# Altium PCB Terra.PcbDoc (part 7 of 7) (continued)
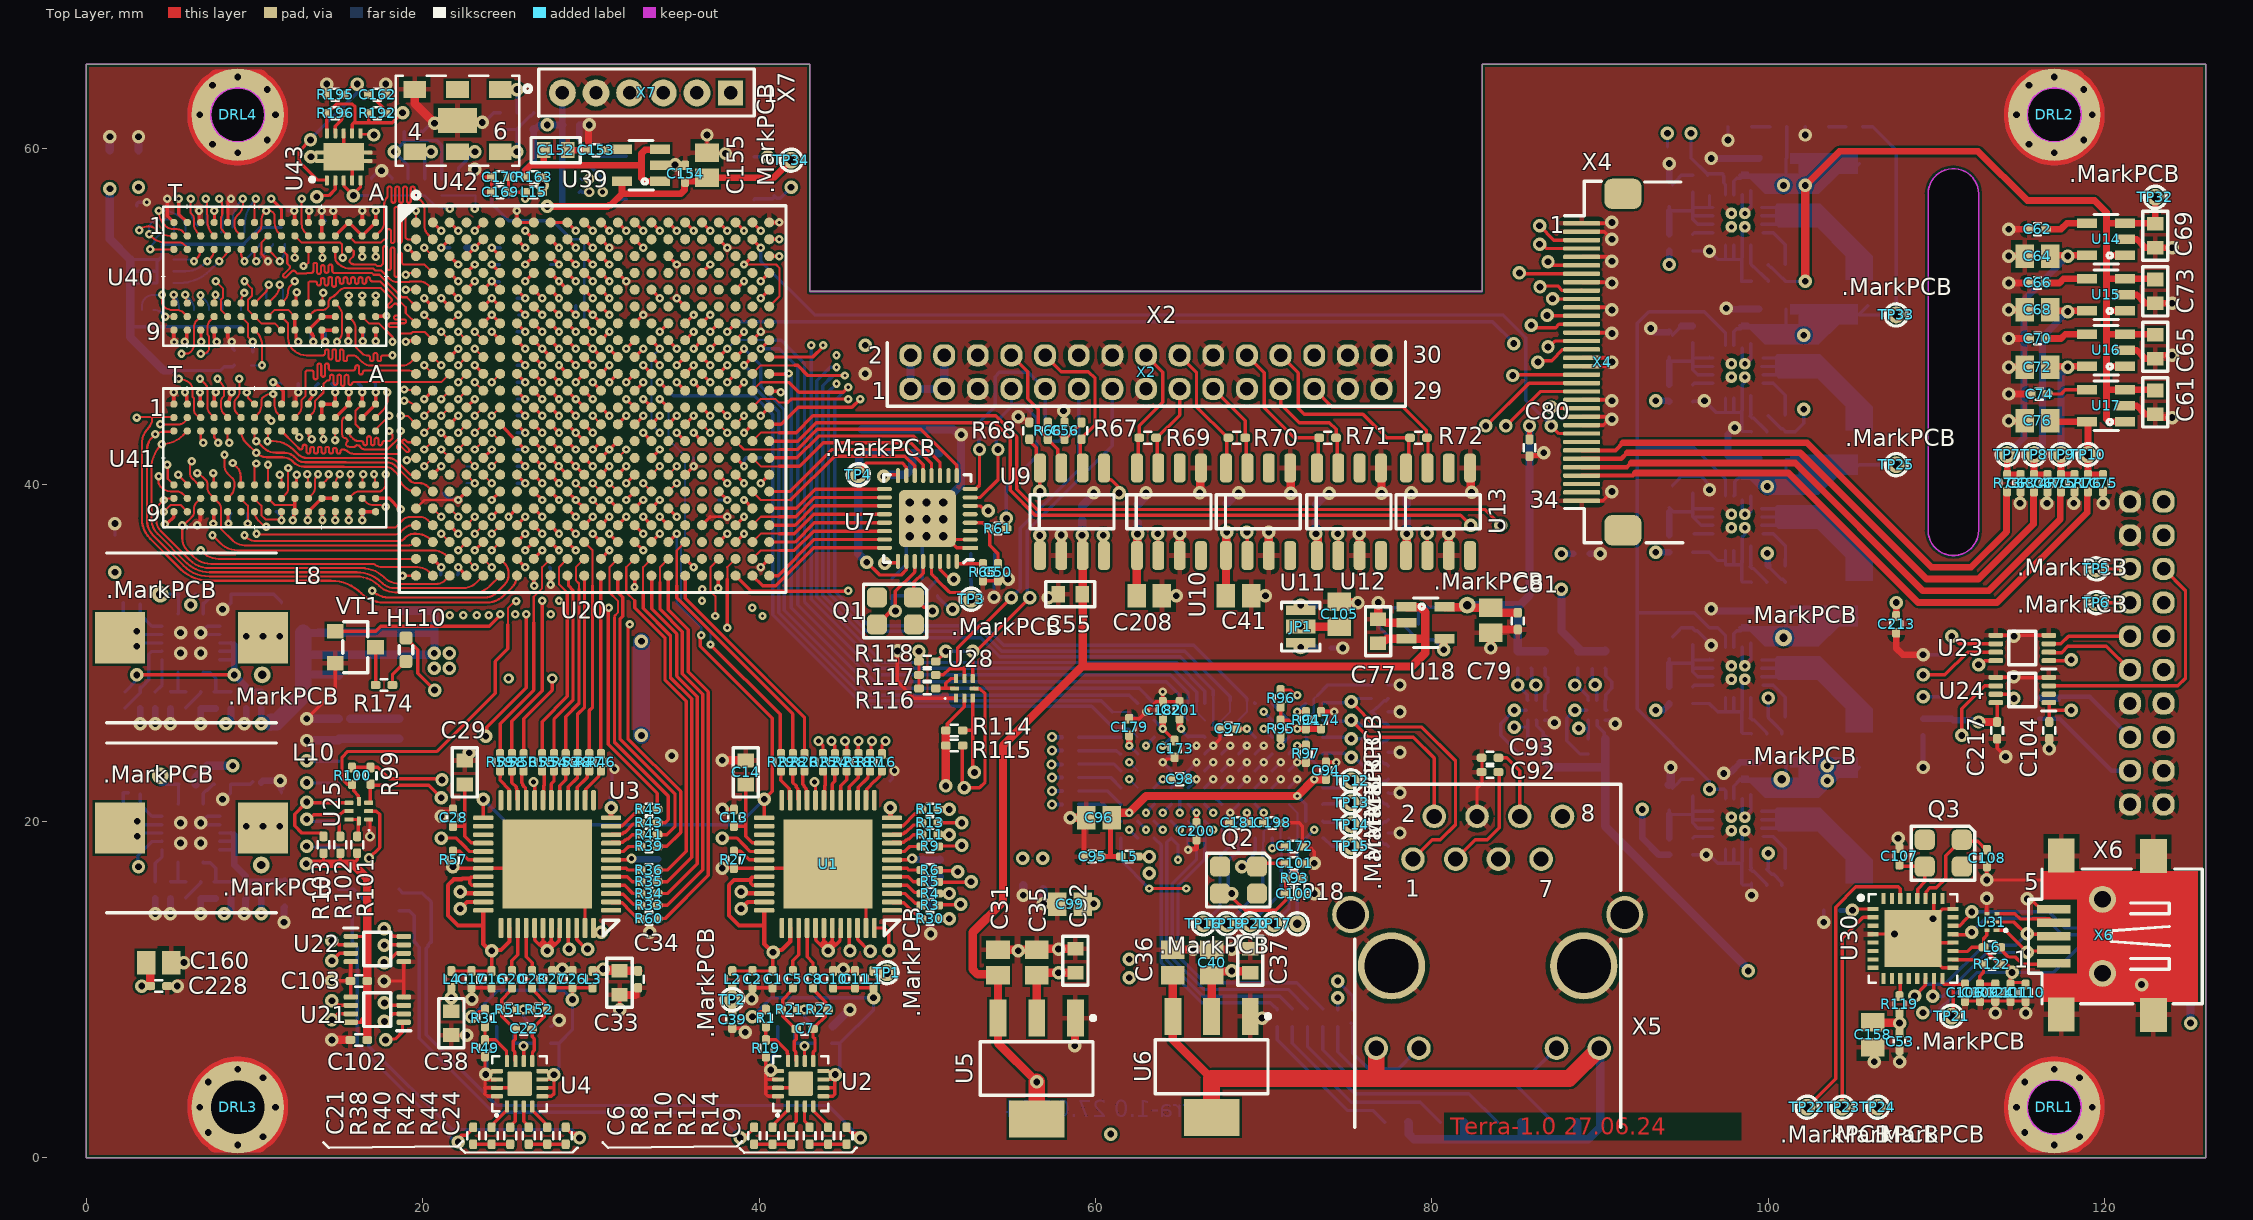
[diagram p0: Top Layer view]
## Nets (pads, with @x,y where several pads share a name; then routed paths per layer and width w, separated by ;. In a path a pad name is that pad's centre, name@x,y a point inside that pad or via, vN(x,y) a via of type N, cw(c..) or ccw(c..) an arc to the next point about the centre after c; other vN are vias at no path point) (continued)
VIO_CAM: C78.1 C79.1 C80.1 C81.1 R77.1 R106.2 R107.2 R108.2 TP11.1 U18.5 U20.A17 U20.B14 U20.C21 U20.D18 U20.E15 U20.F22 | length 99.4
  Top Layer w0.125: v1(39.1,53.1) 40.958,53.1 ; U20.F22@40.6,50.6 41.2,51.2 41.2,52.9 41,53.1
  Top Layer w0.2: U20.B14@32.6,54.6 v1(33.1,54.1) ; U20.E15@33.6,51.6 v1(34.1,51.1) ; U20.A17@35.6,55.6 v1(36.1,55.1) ; U20.D18@36.6,52.6 v1(37.1,53.1) ; v1(39.1,53.1) U20.C21@39.6,53.6
  Top Layer w0.25: C79.1@83.5,32.7 C79.1@83.8,32.4
  Top Layer w0.3: C80.1@85.8,42.6 C80.1@85.8,42.7 v2(85.8,43.5)
  Top Layer w0.5: U18.5@80.753,32.752 U18.5@80.779,32.726 ; U18.5@80.979,32.726 TP11.1@82.1,32.726 ; TP11.1@82.1,32.7 C79.1@83.5,32.7 ; C79.1@83.8,32.4 C81.1@85.1,32.4
  Int3(PWR) w0.5: v1(34.1,51.1) 33.1,52.1 v1(33.1,54.1) 36.1,54.1 ; v1(36.1,55.1) 36.1,54.1 ; 49.3,49.7 47.05,47.45 45.85,47.45 43.7,49.6 42.925,49.6 41.075,51.45 41.075,52.125 40.1,53.1 v1(39.1,53.1) v1(37.1,53.1) 36.1,54.1
  Int3(PWR) w1: 49.3,49.7 79.875,49.7 85.8,43.775 v2(85.8,43.5)
  Bottom Layer w0.2: R77.1@79.2,31.7 C78.1@79.2,32.7 79.225,32.725 80.175,32.725 80.3,32.85 TP11.1@82.1,32.85
  Bottom Layer w0.5: TP11.1@82.1,32.85 85.1,32.85 ; R108.2@85.1,30.1 R107.2@85.9,30.1 R106.2@86.7,30.1 ; R108.2@85.1,30.2 85.1,32.7 ; 85.15,32.775 85.8,33.425 v2(85.8,43.5)
VIO_EXT: C102.1 C103.1 C104.1 C105.1 JP1.2 R101.2 R102.2 R103.2 R111.2 R112.2 R113.2 R116.2 R117.2 R118.2 U21.8 U22.1 U23.1 U24.1 | length 150.9
  Top Layer w0.2: R103.2@14.01,18.002 R103.2@14.1,18.092 ; 14.1,17.48 R103.2@14.1,18.092 ; R103.2@14.1,18.1 R103.2@14.1,18.092 ; R103.2@14.19,18 14.1,18.09 R103.2@14.1,18.092 ; 15.1,17.5 R102.2@15.1,18.1 ; R102.2@15.11,18 R102.2@15.2,18.09 ; U21.8@15.725,8.05 16.383,8.05 16.5,8.167 ; U22.1@15.725,13.15 16.65,13.15 16.7,13.2 ; 15.88,17.48 16.1,17.7 R101.2@16.1,18.1 ; R116.2@49.5,27.9 R117.2@49.5,28.7 R118.2@49.5,29.5 49.475,29.525 49.475,30.075 v9(49.5,30.1) ; U24.1@116.625,27.1 U24.1@116.675,27.05 ; U23.1@116.675,29.55 117.95,29.55 v2(118,29.6) ; C104.1@116.7,25.9 116.7,26.6 ; U24.1@116.725,27.1 U24.1@116.675,27.05 ; v2(118,26.6) 116.7,26.6 ; U24.1@116.675,27.05 116.7,27.025 116.7,26.6
  Top Layer w0.5: v2(13.08,17.48) 14.1,17.48 15.1,17.48 ; 15.1,17.5 15.1,17.48 ; 15.88,17.48 15.1,17.48 ; 15.9,17.4 16.7,16.6 16.7,13.2 C103.1@16.7,10.5 16.7,8.358 ; 16.505,8.162 16.7,8.358 ; C102.1@16.7,7 16.7,8.358 ; JP1.2@72.175,31.6 JP1.2@72.2,31.575 72.213,31.562 74.487,31.562 C105.1@74.5,31.55
  Int1 (Sign) w0.5: v2(87.7,33.8) 101,33.8 102.8,32 116.9,32 118,30.9 v2(118,29.6)
  Int3(PWR) w0.5: v2(13.08,17.48) 13.905,17.48 23.375,26.95 44.37,26.95 44.6,27.18
  Int3(PWR) w1: 44.6,27.18 46.145,28.725 49.5,28.725 ; v9(49.5,30.1) 49.5,28.725 ; v2(87.7,33.8) 86.575,33.8 84.375,31.6 v2(72.2,31.6) 58.05,31.6 55.175,28.725 49.5,28.725 ; v2(118,26.6) v2(118,29.6)
  Bottom Layer w0.2: R113.2@88.7,30.1 R113.2@88.8,30.2
  Bottom Layer w0.5: v2(87.7,33.8) 87.7,31.3 R113.2@88.8,30.2 ; R113.2@88.7,30.1 R111.2@90.3,30.1 90.3,30.13 R111.2@90.31,30.14
VTTREF: C163.1 C164.1 U20.E3 U20.N3 U40.H1 U40.M8 U41.H1 U41.M8 U43.6 | length 84.7
  Top Layer w0.12: v1(7.7,52.1) 8.118,51.682 8.118,51.108 8,50.99 8,50.4 U40.M8@8.4,50 ; v1(8.216,41.78) 8.2,41.72 8.2,41.145 ccw(c8.845,41.145) 8.388,40.689 ; 8.389,40.689 8.675,40.403 cw(c8.371,40.1) 8.8,40.1 8.8,39.9 cw(c8.076,39.9) 8.715,39.559 cw(c8.076,39.9) 8.588,39.388 U41.M8@8.4,39.2
  Top Layer w0.125: U43.6@16.3,60.9 16.355,60.845 v2@16.9,60.845
  Top Layer w0.2: v1(11,57) 11.6,56.4 U40.H1@11.6,55.6 ; v1(11.1,46.1) 11.177,46.1 11.7,45.577 11.7,45.027 11.668,44.995 11.668,44.868 U41.H1@11.6,44.8 ; U20.N3@21.6,43.6 v1(22.1,44.1) ; U20.E3@21.6,51.6 v1(22.1,51.1)
  Int1 (Sign) w0.2: v2@17.1,60.645 17.1,60.075 21.6,55.575 21.6,51.656 23.6,49.656 23.6,44.921 23.299,44.62 22.659,44.62 22.139,44.1 v1(22.1,44.1)
  Int3(PWR) w0.2: 6.3,42.1 6.6,41.8 8.168,41.8 v1(8.216,41.78) ; 15.2,55.45 15.2,58.175 17.1,60.075 v2(17.1,60.8)
  Int3(PWR) w0.5: 6.3,42.1 5.825,42.575 5.825,43.6 4.5,44.925 4.5,47.1 ; v1(7.7,52.1) 7.675,52.075 2.25,52.075 ; v1(11,57) 11.025,56.975 11.625,56.975 ; v1(11.1,46.1) 10.425,46.1 9.425,47.1 4.5,47.1 ; 15.2,55.45 11.918,55.45 11.625,55.743 11.625,56.975 ; 2.25,52.075 2.25,56.85 v2(3.1,57.7) 3.181,57.7 3.456,57.975 11.15,57.975 11.625,57.5 11.625,56.975 ; 2.25,52.075 2.25,49.742 4.5,47.492 4.5,47.1
  Bottom Layer w0.12: v1(11.1,46.1) 11.15,46.05 11.55,46.05 C164.1@11.6,46
xADC_HV_EN: U20.W5 U22.6 | length 30.6
  Top Layer w0.125: v3(23.1,37.1) U20.W5@23.6,37.6
  Top Layer w0.2: v2(17.7,11.6) 17.87,11.6 18.42,12.15 U22.6@18.875,12.15
  Int1 (Sign) w0.2: v2(17.7,11.6) 19.36,13.26 19.36,24.466 23.1,28.206 23.1,30.906 22.4,31.606 v1(22.4,32.25)
  Int4(Sign) w0.125: v1@22.6,32.3 22.45,32.3 v1(22.4,32.25) 22.4,32.3 22.4,34 22.6,34.2 22.6,35.987 cw(c23.1,36.1) 22.6,36.213 22.6,36.6 v3(23.1,37.1)
xADC_INT: U20.W6 U21.3 | length 32.8
  Top Layer w0.125: v3(24.1,37.1) U20.W6@24.6,37.6
  Top Layer w0.2: v2(17.72,9.2) 17.962,9.2 18.112,9.05 U21.3@18.875,9.05
  Int1 (Sign) w0.2: v2(17.72,9.2) 17.8,9.2 19.78,11.18 19.78,24.292 23.5,28.012 23.5,31.1 23.2,31.4 v1(23.2,32.25)
  Int4(Sign) w0.125: v1(23.2,32.25) 23.2,34.4 23.6,34.8 23.6,35.988 ccw(c23.1,36.1) 23.6,36.212 23.6,36.6 v3(24.1,37.1)
xADC_LDAC: U20.V3 U22.7 | length 30.5
  Top Layer w0.125: U20.V3@21.6,38.6 v3(22.1,38.1)
  Top Layer w0.2: v2@17.6,12.432 v2@17.71,12.542 ; v2@17.877,12.676 17.844,12.676 v2@17.818,12.65 ; U22.7@18.875,12.65 v2@17.818,12.65 ; v2@17.71,12.542 v2@17.818,12.65 ; v2@17.71,12.542 v2(17.71,12.628) 17.732,12.65 v2@17.818,12.65
  Int1 (Sign) w0.2: v2(17.71,12.628) 18.94,13.858 18.94,24.64 22.7,28.4 22.7,30.712 21.6,31.812 v1(21.6,32.25)
  Int4(Sign) w0.125: v1(21.6,32.25) 21.6,34.987 ccw(c21.1,35.1) 21.6,35.213 21.6,37.6 v3(22.1,38.1)
xADC_SCL: R99.1 U20.Y8 U25.3 | length 23.9
  Top Layer w0.2: U25.3@16.885,21.1 16.885,22.185 R99.1@16.9,22.2 16.95,22.15 20.35,22.15 v2(21.1,21.4) ; v2(23.745,25.055) 23.807,25.117 23.807,25.582 26.158,27.933 v1(26.158,32.3) ; v1(26.1,36.1) U20.Y8@26.6,36.6
  Int1 (Sign) w0.2: v2(21.1,21.4) 21.9,21.4 23.745,23.245 v2(23.745,25.055)
  Int4(Sign) w0.125: 25.812,35.812 ccw(c26.324,35.3) 25.6,35.3 25.6,34.989 ccw(c26.539,34.989) 25.605,34.895 ccw(c26.539,34.989) 25.875,34.325 cw(c25.193,33.643) 26.158,33.643 v1(26.158,32.3) ; 25.812,35.812 v1(26.1,36.1)
xADC_SDA: R100.1 U20.Y7 U25.4 | length 24.9
  Top Layer w0.125: 25.057,31.7 25.057,32.657 25.491,33.091 v1(25.561,33.091)
  Top Layer w0.2: U25.4@16.2,21.185 16.2,21.325 16.175,21.35 16.175,21.525 15.9,21.8 15.9,22.1 R100.1@15.8,22.2 15.5,22.2 15.2,22.5 15.2,23.8 15.55,24.15 20.85,24.15 24.3,27.6 24.3,29.5 25.057,30.257 25.057,31.7 ; U20.Y7@25.6,36.6 v1(26.1,37.1)
  Int1 (Sign) w0.125: v1(25.561,33.091) 25.5,33.152 25.5,36.1 cw(c26.466,36.1) 25.782,36.782 v1(26.1,37.1)
xBiSS0_ZPNT: U20.U6 U21.2 | length 36.2
  Top Layer w0.2: v2(17.72,8.1) 17.8,8.1 18.25,8.55 U21.2@18.875,8.55 ; v3(24.1,39.1) U20.U6@24.6,39.6
  Int1 (Sign) w0.2: v2(17.72,8.1) 17.8,8.1 20.2,10.5 20.2,24.118 23.9,27.818 23.9,32.232 v1(23.918,32.25)
  Int4(Sign) w0.125: v1(23.918,32.25) 23.9,32.268 23.9,34.1 24.6,34.8 24.6,36.988 ccw(c24.1,37.1) 24.6,37.212 24.6,38.6 24.563,38.637 v3(24.1,39.1)
xBiSS1_CLK: U11.2 U20.P15 | length 42
  Top Layer w0.2: v3(33.1,43.1) U20.P15@33.6,42.6 ; v2(69,37.18) 69.015,37.165 69.015,35.825 U11.2@69.04,35.8
  Int1 (Sign) w0.125: v3(33.1,43.1) 33.412,43.413 cw(c33.865,42.96) 33.865,43.6 34.312,43.6 ccw(c34.312,43.813) 34.463,43.663 34.476,43.676 ccw(c34.178,43.975) 34.6,43.975 34.6,44.075 cw(c34.964,44.075) 34.707,44.332 34.838,44.464 cw(c35.643,43.659) 35.643,44.797 39.173,44.805 cw(c39.175,44.307) 39.18,44.805 39.775,44.8 cw(c39.775,43.972) 39.789,44.8 cw(c39.775,43.972) 40.361,44.557 ; 40.361,44.557 40.409,44.509 41.818,43.1
  Int1 (Sign) w0.2: 41.818,43.1 50.276,43.1 52.436,40.94 57.42,40.94 59.76,38.6 67.6,38.6 69,37.2 v2(69,37.18)
xBiSS1_DATA: U10.2 U20.N17 | length 33.1
  Top Layer w0.2: U20.N17@35.6,43.6 v1(36.1,44.1) ; v2(63.702,37.087) 63.716,37.073 63.716,35.724 U10.2@63.74,35.7
  Int1 (Sign) w0.125: v1(36.1,44.1) 36.343,44.343 ; 36.343,44.343 cw(c36.825,43.86) 36.825,44.542 39.325,44.542 cw(c39.325,44.27) 39.518,44.463 39.535,44.445 cw(c39.24,44.15) 39.657,44.15 39.657,44.075 ccw(c40.04,44.075) 39.769,43.805 40.874,42.7 41,42.7
  Int1 (Sign) w0.2: 41,42.7 50.082,42.7 52.262,40.52 57.18,40.52 59.52,38.18 62.609,38.18 v2(63.702,37.087)
xBiSS2_CLK: U13.2 U20.N14 | length 52.5
  Top Layer w0.2: U20.N14@32.6,43.6 32.633,43.6 33.1,44.067 v3(33.1,44.1) ; v2(79.715,37.115) 79.723,37.108 79.723,35.717 U13.2@79.74,35.7
  Int1 (Sign) w0.125: v3(33.1,44.1) 33.475,44.475 ; 33.475,44.475 cw(c33.777,44.173) 33.777,44.6 33.953,44.6 ccw(c33.953,45.198) 34.263,44.687 ; 34.264,44.688 ccw(c33.953,45.198) 34.375,44.775 34.6,45 ; 34.601,45.001 cw(c35.342,44.258) 35.342,45.308 39.172,45.315 cw(c39.175,44.55) 39.185,45.315 39.65,45.311 39.745,45.311 ; 39.746,45.311 40.019,45.31 cw(c40.019,45.185) 40.028,45.309 cw(c39.968,44.443) 40.039,45.309 cw(c39.968,44.443) 40.582,45.057 41.733,43.907 41.8,43.907
  Int1 (Sign) w0.2: 41.8,43.907 53.499,43.907 55.626,41.78 72.92,41.78 76.7,38 78.8,38 79.685,37.115 v2(79.715,37.115)
xBiSS2_DATA: U12.2 U20.N15 | length 46
  Top Layer w0.2: U20.N15@33.6,43.6 v1(34.1,44.1) ; U12.2@74.44,35.7 v2@74.44,37.06
  Int1 (Sign) w0.125: v1(34.1,44.1) 34.83,44.819 cw(c35.394,44.256) 34.839,44.828 cw(c35.394,44.256) 35.394,45.053 39.173,45.06 cw(c39.175,44.55) 39.182,45.06 39.825,45.055 39.83,45.055 cw(c39.83,44.93) 39.831,45.055 39.913,45.055 cw(c39.913,44.93) 39.917,45.054 cw(c39.913,44.93) 39.92,45.054 cw(c39.883,44.233) 40.464,44.814 41.752,43.527 41.9,43.527
  Int1 (Sign) w0.2: 41.9,43.527 50.443,43.527 52.61,41.36 68.24,41.36 71.55,38.05 73.45,38.05 v2(74.4,37.1)
xCAM_SCL: R104.1 U20.Y9 U26.3 | length 124.7
  Top Layer w0.2: U20.Y9@27.6,36.6 v3(28.1,36.1)
  Int1 (Sign) w0.125: v1(27.6,32.3) 28.013,32.3 ccw(c28.013,32.812) 28.375,32.45 ccw(c27.971,32.854) 28.543,32.854 28.543,35.297 ccw(c27.672,35.297) 28.287,35.913 v3(28.1,36.1)
  Int4(Sign) w0.2: v1(27.6,32.3) 27.6,31.718 19.54,23.658 19.54,15.127 20.24,14.427 20.24,6.327 22.947,3.62 78.32,3.62 83.18,8.48 83.18,11.78 89.2,17.8 89.2,21.9 85.5,25.6 v2(84.9,25.6)
  Bottom Layer w0.2: v2(84.9,25.6) 85.6,25.6 85.7,25.5 ; R104.1@85.7,24.9 85.7,25.5 ; U26.3@85.7,26.015 85.7,25.5
xCAM_SDA: R105.1 U20.AB8 U26.4 | length 126.2
  Top Layer w0.2: U20.AB8@26.581,34.681 26.61,34.653 26.61,34.01 v3(26.62,34)
  Int4(Sign) w0.125: 26.6,32.7 26.6,33.98 v3(26.62,34)
  Int4(Sign) w0.2: 26.6,32.7 26.8,32.5 26.8,31.512 19.21,23.922 19.21,14.99 19.91,14.29 19.91,6.19 22.81,3.29 78.457,3.29 83.51,8.343 83.51,11.643 89.53,17.663 89.53,22.045 84.975,26.6 v2(84.9,26.6)
  Bottom Layer w0.2: U26.4@85.615,26.6 v2(84.9,26.6) 84.1,25.8 84.1,25.1 85.2,24 R105.1@85.7,24
xCAN_RX: U9.4 U20.T19 | length 27.4
  Top Layer w0.2: U20.T19@37.6,40.6 v1(38.1,40.1) ; v2(60.465,37) 60.495,36.97 U9.4@60.495,35.7
  Int1 (Sign) w0.2: v1(38.1,40.1) 38.1,40.878 39.122,41.9 49.694,41.9 51.994,39.6 55.294,39.6 57.134,37.76 59.658,37.76 60.26,37.158 v2@60.26,37.1
xCAN_STB: R68.1 U9.8 U20.P17 | length 27.1
  Top Layer w0.2: v1(35.1,43.1) U20.P17@35.6,42.6 ; R68.1@56.06,42.611 56.475,42.196 56.475,41.015 U9.8@56.49,41 ; R68.1@56.06,42.711 R68.1@56.075,42.696 ; v2(56.691,39.609) 56.693,39.611 56.693,40.83 U9.8@56.7,40.837
  Int1 (Sign) w0.125: v1(35.1,43.1) 35.36,43.36 cw(c35.8,42.921) 35.362,43.362 cw(c35.8,42.921) 35.8,43.543 39.075,43.543 cw(c39.075,42.103) 39.09,43.542 ccw(c39.091,43.667) 39.093,43.542 cw(c39.1,43.1) 39.129,43.542 ccw(c39.138,43.666) 39.133,43.541 cw(c39.075,42.103) 40.093,43.121 40.914,42.3
  Int1 (Sign) w0.2: 40.914,42.3 49.888,42.3 52.168,40.02 56.143,40.02 56.554,39.609 v2(56.691,39.609)
xCAN_TX: U9.1 U20.T20 | length 22.3
  Top Layer w0.2: U20.T20@38.6,40.6 v1(39.1,40.1) ; v2(56.674,36.991) 56.685,36.98 56.685,35.81 U9.1@56.695,35.8
  Int1 (Sign) w0.2: v1(39.1,40.1) 40.5,41.5 49.5,41.5 51.82,39.18 55.12,39.18 56.546,37.754 56.546,37.417 56.55,37.413 56.55,37.115 v2(56.674,36.991)
xEXT_SCL: R114.1 U20.AA8 U28.3 | length 85.6
  Top Layer w0.2: U20.AA8@26.6,35.6 v3(27.1,36.1) ; R114.1@52.1,25.4 52.65,25.4 ; U28.3@52.7,27.315 52.69,27.305 52.69,23.01 v2(52.8,22.9)
  Int1 (Sign) w0.125: 26.6,31.9 26.6,33.053 cw(c27.197,33.053) 26.775,33.475 26.853,33.553 ; 26.853,33.553 ccw(c26.255,34.15) 27.1,34.15 v3(27.1,36.1)
  Int1 (Sign) w0.2: v6(25.111,28.48) 25.18,28.48 26.6,29.9 26.6,31.9
  Int4(Sign) w0.125: v3@27.103,35.992 v3@27.11,36
  Int4(Sign) w0.2: v6(25.111,28.48) 25.111,28.411 19.87,23.17 19.87,15.263 20.57,14.563 20.57,6.463 23.083,3.95 42.608,3.95 53.63,14.972 53.63,22.07 v2(52.8,22.9)
xEXT_SDA: R115.1 U20.W9 U28.4 | length 90.3
  Top Layer w0.2: U20.W9@27.6,37.6 v3(28.1,37.1) ; R115.1@52.1,24.5 52.07,24.47 52.07,22.13 v2(52.2,22) 53.1,22 53.43,22.33 53.43,27.57 53.125,27.875 52.81,27.875 U28.4@52.785,27.9
  Int1 (Sign) w0.125: 27.883,36.883 ccw(c28.566,36.2) 27.6,36.2 27.6,35.775 ccw(c28.022,35.775) 27.724,35.476 27.825,35.375 cw(c27.161,34.711) 28.1,34.711 v1(28.1,33.1) ; 27.883,36.883 v3(28.1,37.1)
  Int4(Sign) w0.125: v1(28.1,33.1) 28.172,33.028 28.172,32.868 28.2,32.839
  Int4(Sign) w0.2: 28.2,32.839 28.2,30.641 20.2,22.641 20.2,15.4 20.9,14.7 20.9,6.6 23.22,4.28 42.471,4.28 53.3,15.109 53.3,20.9 v2(52.2,22)
xLASER_LVDS: U20.N13 U29.2 | length 90.5
  Top Layer w0.2: U20.N13@31.6,43.6 v3(32.1,44.1)
  Int1 (Sign) w0.125: v3(32.1,44.1) cw(c32.971,44.1) 32.103,44.173 cw(c32.806,44.173) 32.309,44.669 32.382,44.743 ccw(c31.899,45.225) 32.408,44.77 ccw(c31.899,45.225) 32.582,45.225 32.582,45.282 cw(c32.915,45.282) 32.626,45.449 32.672,45.494 cw(c32.836,45.33) 32.836,45.563 39.172,45.57 cw(c39.175,44.55) 39.184,45.57 39.7,45.567 40.003,45.567 cw(c40.003,44.528) 40.072,45.564 cw(c40.003,44.528) 40.737,45.263 41.64,44.36 41.693,44.36
  Int1 (Sign) w0.2: 41.693,44.36 41.733,44.32 54.102,44.32 56.222,42.2 78.8,42.2 83.3,37.7 83.3,35.867 89.137,30.03 94.302,30.03 98.562,25.77 107.57,25.77 v2(109.2,27.4)
  Bottom Layer w0.2: v2(109.2,27.4) 110.665,27.4 110.765,27.3 110.865,27.4 U29.2@110.9,27.365
xLS_DISABLE: U20.P21 U23.7 | length 86.7
  Top Layer w0.125: U20.P21@39.6,42.6 40.1,43.1 41.2,43.1
  Top Layer w0.2: 41.2,43.1 42.2,43.1 43.2,44.1 54.067,44.1 55.32,42.847 55.32,39.747 56.537,38.53 83.17,38.53 v2(84.1,37.6) ; v2(109.2,28.7) 110.5,28.7 111.85,30.05 U23.7@113.525,30.05
  Int1 (Sign) w0.2: v2(84.1,37.6) 84.1,35.533 89.273,30.36 94.439,30.36 98.699,26.1 106.6,26.1 v2(109.2,28.7)
xLS_EN_POW: U20.AB20 U24.6 | length 81.3
  Top Layer w0.2: U20.AB20@38.6,34.6 39.53,33.67 45.27,33.67 v1(45.3,33.7) ; v2(111.5,25.1) 111.5,26.697 112.853,28.05 U24.6@113.525,28.05
  Int1 (Sign) w0.2: v1(45.3,33.7) 47.7,31.3 68.9,31.3 71.17,29.03 93.902,29.03 98.162,24.77 111.17,24.77 v2(111.5,25.1)
xLS_SCL: R109.1 U20.V8 U27.3 | length 126.3
  Top Layer w0.2: U20.V8@26.6,38.6 v3(27.1,38.1)
  Int1 (Sign) w0.125: v1(25.5,32.3) 25.813,32.613 ; 25.813,32.613 ccw(c25.118,33.307) 26.1,33.307 26.1,33.999 cw(c26.826,33.999) 26.312,34.512 ; 26.312,34.512 26.441,34.641 ccw(c26.057,35.025) 26.6,35.025 26.6,37.35 cw(c27.204,37.35) 26.777,37.777 v3(27.1,38.1)
  Int4(Sign) w0.2: v1(25.5,32.3) 25.5,30.806 18.88,24.186 18.88,14.853 19.58,14.153 19.58,6.053 22.673,2.96 78.593,2.96 83.84,8.207 83.84,11.507 89.86,17.527 89.86,24.865 89.257,25.468 88.801,25.468 v2(88.734,25.534)
  Bottom Layer w0.2: v2(88.734,25.534) 88.768,25.5 89.3,25.5 ; R109.1@89.3,24.9 89.3,25.5 ; U27.3@89.3,26.015 89.3,25.5
xLS_SDA: R110.1 U20.W7 U27.4 | length 130.9
  Top Layer w0.2: U20.W7@25.6,37.6 v1(26.1,38.1)
  Int4(Sign) w0.125: 25.057,31.8 25.057,36.485 cw(c26.44,36.485) 25.462,37.462 v1(26.1,38.1)
  Int4(Sign) w0.2: 25.057,31.8 25.057,31.087 18.55,24.58 18.55,14.717 19.25,14.017 19.25,5.917 22.537,2.63 78.73,2.63 84.17,8.07 84.17,11.37 90.19,17.39 90.19,25.002 88.592,26.6 v2(88.5,26.6)
  Bottom Layer w0.2: U27.4@89.215,26.6 v2(88.5,26.6) 88.014,26.114 88.014,24.786 88.8,24 R110.1@89.3,24
xLS_SHDN: U20.P22 U23.6 | length 87.8
  Top Layer w0.2: U20.P22@40.6,42.6 42.3,42.6 43.4,43.7 54,43.7 54.92,42.78 54.92,39.68 56.4,38.2 81.7,38.2 v2(82.3,37.6) ; v2(110.9,31) 111.35,30.55 U23.6@113.525,30.55
  Int1 (Sign) w0.2: v2(82.3,37.6) 82.3,36.4 89,29.7 94.166,29.7 98.426,25.44 108.54,25.44 110.9,27.8 v2(110.9,31)
xS_CLK_N: C87.2 U19.A6 | length 2.7
  Bottom Layer w0.2: C87.2@59,22.6 60.9,22.6 U19.A6@61.5,22
xS_CLK_P: C86.2 U19.A5 | length 2.7
  Bottom Layer w0.2: C86.2@59,23.4 61.1,23.4 U19.A5@61.5,23
xS_IN_N: C83.2 U19.A4 | length 2.6
  Bottom Layer w0.2: C83.2@59,24.2 61.243,24.2 61.443,24 U19.A4@61.5,24
xS_IN_P: C82.1 U19.A3 | length 2.5
  Bottom Layer w0.2: C82.1@59,25 U19.A3@61.5,25
xS_OUT_N: C85.2 U19.A8 | length 2.9
  Bottom Layer w0.2: C85.2@59,21 60.5,21 U19.A8@61.5,20
xS_OUT_P: C84.2 U19.A7 | length 2.8
  Bottom Layer w0.2: C84.2@59,21.8 60.7,21.8 U19.A7@61.5,21
xUSB_24MHZ: C51.1 U20.W20 | length 16.6
  Top Layer w0.2: U20.W20@38.6,37.6 v1(39.1,38.1)
  Int1 (Sign) w0.2: v1(39.1,38.1) 41.1,38.1 46,38.1 v2(51.5,32.6)
  Bottom Layer w0.2: C51.1@50.6,33.4 50.6,33.361 51.361,32.6 v2(51.5,32.6)
xUSB_DIR: U7.12 U20.R21 | length 12.7
  Top Layer w0.125: U20.R21@39.6,41.6 40.1,41.1 41.2,41.1
  Top Layer w0.2: 41.2,41.1 42.4,41.1 43.8,42.5 49,42.5 50.25,41.25 U7.12@50.25,40.548
xUSB_NXP: U7.11 U20.R22 | length 12.1
  Top Layer w0.2: U20.R22@40.6,41.6 42.233,41.6 43.533,42.9 49.2,42.9 50.749,41.351 U7.11@50.749,40.548
xUSB_RES: U7.9 U20.P20 | length 15.4
  Top Layer w0.125: U20.P20@38.6,42.6 39.1,42.1 41.2,42.1
  Top Layer w0.2: 41.2,42.1 42.267,42.1 43.467,43.3 49.616,43.3 51.739,41.177 51.739,40.557 U7.9@51.748,40.548
xUSB_SCK: U7.14 U20.U21 | length 11.7
  Top Layer w0.125: U20.U21@39.6,39.6 40.1,39.1 41.882,39.1 41.891,39.109
  Top Layer w0.2: 41.891,39.109 44.482,41.7 48.669,41.7 49.241,41.127 49.241,40.557 U7.14@49.251,40.548
xUSB_STP: U7.13 U20.U22 | length 11.2
  Top Layer w0.2: U20.U22@40.6,39.6 41.816,39.6 44.316,42.1 48.834,42.1 49.75,41.184 U7.13@49.75,40.548
xUSB_UART_RX: TP22.1 U20.AA19 U30.30 | length 105.7
  Top Layer w0.125: v1(37.4,32.2) 37.4,33.374 37.108,33.667 37.108,35.107 U20.AA19@37.6,35.6
  Top Layer w0.2: TP22.1@102.3,3 104,4.7 104,14.9 105.2,16.1 107.731,16.1 107.848,15.983 U30.30@107.848,15.409
  Int1 (Sign) w0.2: v2(62,10.7) 69.7,3 TP22.1@102.3,3
  Int4(Sign) w0.2: v1(37.4,32.2) 37.4,31.521 41.761,27.16 57.415,27.16 59.35,25.225 59.35,19.2 61.3,17.25 61.3,11.3 61.9,10.7 v2(62,10.7)
xUSB_UART_TX: TP23.1 U20.AA20 U30.2 | length 101.5
  Top Layer w0.125: 38.1,35.1 U20.AA20@38.6,35.6 ; 38.108,34.4 38.108,35.1
  Top Layer w0.2: v1(38.1,31.5) 38.108,31.508 38.108,34.4 ; TP23.1@104.4,3 104.4,13.057 105.627,14.284 U30.2@106.223,14.284
  Int1 (Sign) w0.2: v2(62,11.8) 69.97,3.83 103.57,3.83 TP23.1@104.4,3
  Int4(Sign) w0.2: v1(38.1,31.5) 42.1,27.5 57.653,27.5 59.8,25.353 59.8,19.217 62,17.017 v2(62,11.8)
  Bottom Layer w0.2: TP23.1@104.4,2.97 TP23.1@104.4,3
xUSER_OUT: U20.Y19 U24.7 | length 84.2
  Top Layer w0.2: U20.Y19@37.6,36.6 v1(38.1,37.1) ; U24.7@113.525,27.55 U24.7@113.567,27.55 ; U24.7@113.604,27.587 U24.7@113.567,27.55 ; v2@114.5,27.3 114.25,27.55 U24.7@113.567,27.55
  Int1 (Sign) w0.125: v1(38.1,37.1) 38.587,36.613 ; 38.587,36.613 ccw(c39.325,37.352) 39.325,36.308 41.192,36.308 41.4,36.1
  Int1 (Sign) w0.2: 41.4,36.1 43,34.5 47.4,34.5 50.2,31.7 68.967,31.7 71.307,29.36 94.039,29.36 98.299,25.1 109,25.1 111.2,27.3 v2(114.6,27.3)
pads on no net: C186.1 C186.2 C187.1 C187.2 C188.1 C188.2 C189.1 C189.2 C194.1 C194.2 C195.1 C195.2 C196.1 C196.2 C197.1 C197.2 Q1.2 Q1.4 Q2.2 Q2.4 Q3.2 Q3.4 U1.1 U1.13 U1.24 U1.26 U1.27 U1.37 U3.1 U3.13 U3.24 U3.26 U3.27 U3.37 U7.3 U7.5 U7.10 U7.31 U8.3 U8.5 U10.4 U10.6 U11.4 U11.6 U12.4 U12.6 U13.4 U13.6 U19.D2 U19.G1 U19.K7 U19.M5 U19.M6 U20.A4 U20.A6 U20.AA18 U20.AB18 U20.B4 U20.B6 U20.B13 U20.B15 U20.B16 U20.B17 U20.B18 U20.B20 U20.C5 U20.C7 U20.C13 U20.C14 U20.C15 U20.C17 U20.C18 U20.C19 U20.C20 U20.D5 U20.D7 U20.D14 U20.D15 U20.D16 U20.D17 U20.D19 U20.D20 U20.D21 U20.E13 U20.E14 U20.E16 U20.E17 U20.E18 U20.E19 U20.E21 U20.F4 U20.F13 U20.F14 U20.F15 U20.F16 U20.F18 U20.F19 U20.F20 U20.F21 U20.G4 U20.G13 U20.G15 U20.G21 U20.G22 U20.H13 U20.H18 U20.J6 U20.J16 U20.K16 U20.L6 U20.L13 U20.L15 U20.L19 U20.M13 U20.M17 U20.M20 U20.P14 U20.P16 U20.P19 U20.R14 U20.R16 U20.R17 U20.R18 U20.R19 U20.T3 U20.T6 U20.T18 U20.T21 U20.U3 U20.U5 U20.U7 U20.U17 U20.U18 U20.U20 U20.V4 U20.V5 U20.V9 U20.V17 U20.V18 U20.V19 U20.V20 U20.W17 U20.W19 U20.Y18 U29.3 U29.5 U29.6 U30.3 U30.5 U30.6 U30.7 U30.8 U30.9 U30.10 U30.12 U30.13 U30.23 U30.25 U30.29 U30.31 U30.32 U31.5 U40.J1 U40.J9 U40.L1 U40.L9 U40.M7 U41.J1 U41.J9 U41.L1 U41.L9 U41.M7 U42.2 U44.4 X1.5 X1.6 X1.8 X1.10 X1.12 X1.14 X1.16 X1.21 X1.22 X1.24 X1.29 X3.11 X3.15 X4.0 X4.27 X4.32 X4.33
copper on no net: | length 0.7
  Top Layer w0.2: v3(36.1,48.1) 36.6,48.6

## Polygon pours and split planes (outlines as drawn)
GND on Int2 (GND) "GND_L03_P000" (solid, pour order 0): 43,64.999 43,51.5 83,51.5 83,64.999 125.999,64.999 125.999,-0.001 -0.001,-0.001 -0.001,64.999
GND on Top Layer "GND_L01_P001" (solid, remove dead copper, pour order 1): 43,65 43,51.501 83,51.501 83,65 125.999,65 125.999,0 -0.001,0 -0.001,65
GND on Bottom Layer "GND_L06_P002" (solid, remove dead copper, pour order 2): 42.988,64.974 42.988,51.475 82.988,51.475 82.988,64.974 125.987,64.974 125.987,-0.026 -0.013,-0.026 -0.013,64.974

## Keep-outs
Keep-Out Layer:
  circle w0.1: c8.999,61.999 r1.6
  circle w0.1: c116.999,2.999 r1.6
  circle w0.1: c116.999,61.999 r1.6
  lines w0.1: 42.999,64.999 -0.001,64.999 -0.001,-0.001 125.999,-0.001 125.999,64.999 82.999,64.999 82.999,51.499 42.999,51.499 43,65 ; 109.499,37.299 ccw(c110.999,37.299) 112.499,37.299 112.499,57.299 ccw(c110.999,57.299) 109.499,57.299 109.499,37.299

## Other copper
Top Layer:
  pour cut-out: 40.875,20.675 47.325,20.675 47.325,14.2 40.875,14.2
  pour cut-out: 24.15,20.7 30.6,20.7 30.6,14.225 24.15,14.225
  pour cut-out: 41,23.1 41,23.8 47.6,23.8 47.6,23.1
  pour cut-out: 24.3,23.1 24.3,23.8 30.9,23.8 30.9,23.1
  pour cut-out: 33.1,17.3 33.8,17.3 33.8,13.9 33.5,13.9 33.4,13.9 33.1,13.9
  pour cut-out: 33.1,21 33.8,21 33.8,18.2 33.5,18.2 33.4,18.2 33.1,18.2
  pour cut-out: 49.75,17.3 50.45,17.3 50.45,13.9 50.15,13.9 50.05,13.9 49.75,13.9
  pour cut-out: 49.8,21 50.5,21 50.5,18.1 50.2,18.1 50.1,18.1 49.8,18.1
  text "Terra-1.0 27.06.24" at 81.075,1.35 h1
Bottom Layer:
  pour cut-out: 29.2,61.5 29.8,61.5 29.8,56.3 29.6,56.3 29.5,56.3 29.2,56.3
  region net NetL9_2: 103.1,20.8 102.5,20.8 100.5,20.8 100.4,20.7 100.4,19.6 100.6,19.4 102.9,19.4 104.6,17.7 104.6,16.3 106.2,16.3 106.2,17.7
  region net +1.5V: 101.8,22.6 98.9,22.6 98.8,22.7 98.4,22.7 98.4,22.3 98.9,22.3 99.8,21.4 103,21.4 104.2,22.6 105.3,22.6 105.3,23.8 101.3,23.8 101.3,23.2 101.8,23.2
  region net NetC61_1: 101.8,58.5 98.9,58.5 98.8,58.6 98.4,58.6 98.4,58.2 98.9,58.2 99.8,57.3 103,57.3 104.2,58.5 105.3,58.5 105.3,59.7 101.3,59.7 101.3,59.1 101.8,59.1
  region net NetL12_2: 103.1,56.7 102.5,56.7 100.5,56.7 100.4,56.6 100.4,55.5 100.6,55.3 102.9,55.3 104.6,53.6 104.6,52.2 106.2,52.2 106.2,53.6
  region net NetL7_2: 103.1,38.8 102.5,38.8 100.5,38.8 100.4,38.7 100.4,37.6 100.6,37.4 102.9,37.4 104.6,35.7 104.6,34.3 106.2,34.3 106.2,35.7
  region net NetL13_2: 103.1,47.75 102.5,47.75 100.5,47.75 100.4,47.65 100.4,46.55 100.6,46.35 102.9,46.35 104.6,44.65 104.6,43.25 106.2,43.25 106.2,44.65
  region net +5.0V: 101.8,49.55 98.9,49.55 98.8,49.65 98.4,49.65 98.4,49.25 98.9,49.25 99.8,48.35 103,48.35 104.2,49.55 105.3,49.55 105.3,50.75 101.3,50.75 101.3,50.15 101.8,50.15
  region net +3.3V: 101.8,40.6 98.9,40.6 98.8,40.7 98.4,40.7 98.4,40.3 98.9,40.3 99.8,39.4 103,39.4 104.2,40.6 105.3,40.6 105.3,41.8 101.3,41.8 101.3,41.2 101.8,41.2
  region net +2.5V: 101.8,31.6 98.9,31.6 98.8,31.7 98.4,31.7 98.4,31.3 98.9,31.3 99.8,30.4 103,30.4 104.2,31.6 105.3,31.6 105.3,32.8 101.3,32.8 101.3,32.2 101.8,32.2
  region net NetL11_2: 103.1,29.8 102.5,29.8 100.5,29.8 100.4,29.7 100.4,28.6 100.6,28.4 102.9,28.4 104.6,26.7 104.6,25.3 106.2,25.3 106.2,26.7
  text "Terra-1.0 27.06.24" at 67.425,2.4 h1

## Silkscreen, mask and mechanical layers (free items; w line width, h text height)
Top Overlay:
  lines w0.15: 14.1,0.9 14.428,0.579 22.072,0.665 22.375,0.975 ; 22.256,0.547 22.515,0.294 28.909,0.308 29.2,0.6 ; 30.7,0.9 31.028,0.579 38.672,0.665 38.975,0.975 ; 38.856,0.547 39.115,0.294 45.509,0.308 45.8,0.6
Bottom Overlay:
  lines w0.15: 44.311,32.496 44.611,32.796 ; 44.6,32.804 50.789,32.804 51.089,33.104 ; 47.096,33.089 47.396,32.789 ; 56.4,29.2 56.7,28.9 56.7,28.7 56.7,20.8 57,20.5 ; 56.7,25.2 57.1,25.6 ; 65.7,6.8 66,7.1 75.3,7.1 75.7,7.5 ; 70.1,7.4 70.4,7.1
Mechanical 1:
  lines w0.1: 0,0 80,0 ; 63,46.7 63,56.7 ; 85.5,47.3 113,47.3
  text "4отв" at 13.4,66.22 h2

## Dimensions
123.5,21 to 125.999,-0.001 on Mechanical 1
125.999,-0.001 to 123.5,25 on Mechanical 1
112.499,57.299 to 125.999,64.999 on Mechanical 1
109.499,57.302 to 112.5,57.5 on Mechanical 1
82.999,51.499 to 83,65 on Mechanical 1
9,3 to -0.001,-0.001 on Mechanical 1
-0.001,64.999 to 42.999,64.999 on Mechanical 1
9,3 to 9,62 on Mechanical 1
9,3 to 117,4.5 on Mechanical 1
-0.001,-0.001 to 125.999,-0.001 on Mechanical 1
42.999,51.499 to 63,56.7 on Mechanical 1
110.6,58.8 to 111.146,35.789 on Mechanical 1
113,47.3 to 125.999,-0.001 on Mechanical 1
42.999,51.499 to 82.999,51.499 on Mechanical 1
-0.001,-0.001 to -0.001,64.999 on Mechanical 1

## Text inside footprints (layer, text, board x,y; h text height)
U40: Mechanical 1 "T" at 4.7,57.1 h0.5; Mechanical 1 "9" at 3.85,48.725 h0.5; Mechanical 1 "1" at 3.8,55.1 h0.5; Mechanical 1 "A" at 16.6,57 h0.5; Top Overlay "T" at 4.875,56.85 h1; Top Overlay "A" at 16.8,56.9 h1; Top Overlay "1" at 3.737,54.89 h1; Top Overlay "9" at 3.55,48.6 h1
U41: Mechanical 1 "A" at 16.7,46.1 h0.5; Mechanical 1 "1" at 4.1,44.3 h0.5; Mechanical 1 "9" at 3.925,37.825 h0.5; Mechanical 1 "T" at 4.6,46.1 h0.5; Top Overlay "9" at 3.55,37.8 h1; Top Overlay "1" at 3.737,44.09 h1; Top Overlay "A" at 16.8,46.1 h1; Top Overlay "T" at 4.875,46.05 h1
U42: Top Overlay "4" at 19.1,60.5 h1; Top Overlay "6" at 24.2,60.525 h1
X1: Mechanical 2 "2" at 19.3,14.7 h1; Mechanical 2 "1" at 15,14.8 h1; Mechanical 2 "30" at 19.3,31.8 h1; Mechanical 2 "29" at 15.8,31.8 h1; Bottom Overlay "1" at 13.35,14.025 h1; Bottom Overlay "30" at 20.925,33.225 h1; Bottom Overlay "29" at 14.55,33.2 h1; Bottom Overlay "2" at 20.975,14.075 h1
X2: Mechanical 1 "30" at 76.3,47.3 h1; Mechanical 1 "29" at 76.2,45.2 h1; Mechanical 1 "2" at 48.7,47.4 h1; Mechanical 1 "1" at 48.9,45.3 h1; Top Overlay "2" at 46.5,47.2 h1; Top Overlay "30" at 78.85,47.225 h1; Top Overlay "1" at 46.7,45.1 h1; Top Overlay "29" at 78.9,45.1 h1
X3: Mechanical 2 "1" at 123.9,39.1 h1 r90; Mechanical 2 "2" at 121.8,39.3 h1 r90; Mechanical 2 "19" at 124,21.5 h1 r90; Mechanical 2 "20" at 121.9,21.4 h1 r90; Bottom Overlay "19" at 124.8,18.15 h1; Bottom Overlay "1" at 123.95,40.85 h1; Bottom Overlay "20" at 121.775,18.125 h1; Bottom Overlay "2" at 121.15,40.925 h1
X4: Mechanical 1 "1" at 88.4,54.7 h1; Mechanical 1 "34" at 87.9,38.9 h1; Top Overlay "34" at 85.8,38.6 h1; Top Overlay "1" at 87,54.95 h1
X5: Mechanical 1 "8" at 87.7,19.8 h1; Mechanical 1 "7" at 86.5,17.3 h1; Mechanical 1 "2" at 79.6,19.7 h1; Mechanical 1 "1" at 78.5,17.3 h1; Top Overlay "2" at 78.175,19.95 h1; Top Overlay "1" at 78.425,15.525 h1; Top Overlay "7" at 86.35,15.475 h1; Top Overlay "8" at 88.85,19.975 h1
X6: Mechanical 1 "1" at 117.1,10.2 h1; Mechanical 1 "5" at 116.9,15.8 h1; Top Overlay "5" at 115.2,15.9 h1; Top Overlay "1" at 114.6,11.3 h1
X7: Mechanical 1 "1" at 38.7,63.8 h1 r180; Mechanical 1 "6" at 28.6,63.8 h1 r180; Top Overlay "1" at 40.25,62.75 h1